# Altium PCB OSP_Carrier_V8.PcbDoc (part 3 of 3)
Units mm, origin at the board's own origin, x right, y up, seen from the top; angles counter-clockwise.
Board outline 64.1 x 51.1 mm, 4 copper layers (Component Side, Signal Layer 1, Signal Layer 2, Solder Side), stack 1.58 mm thick; 182 components, 144 nets, 1232 pads, 422 vias.
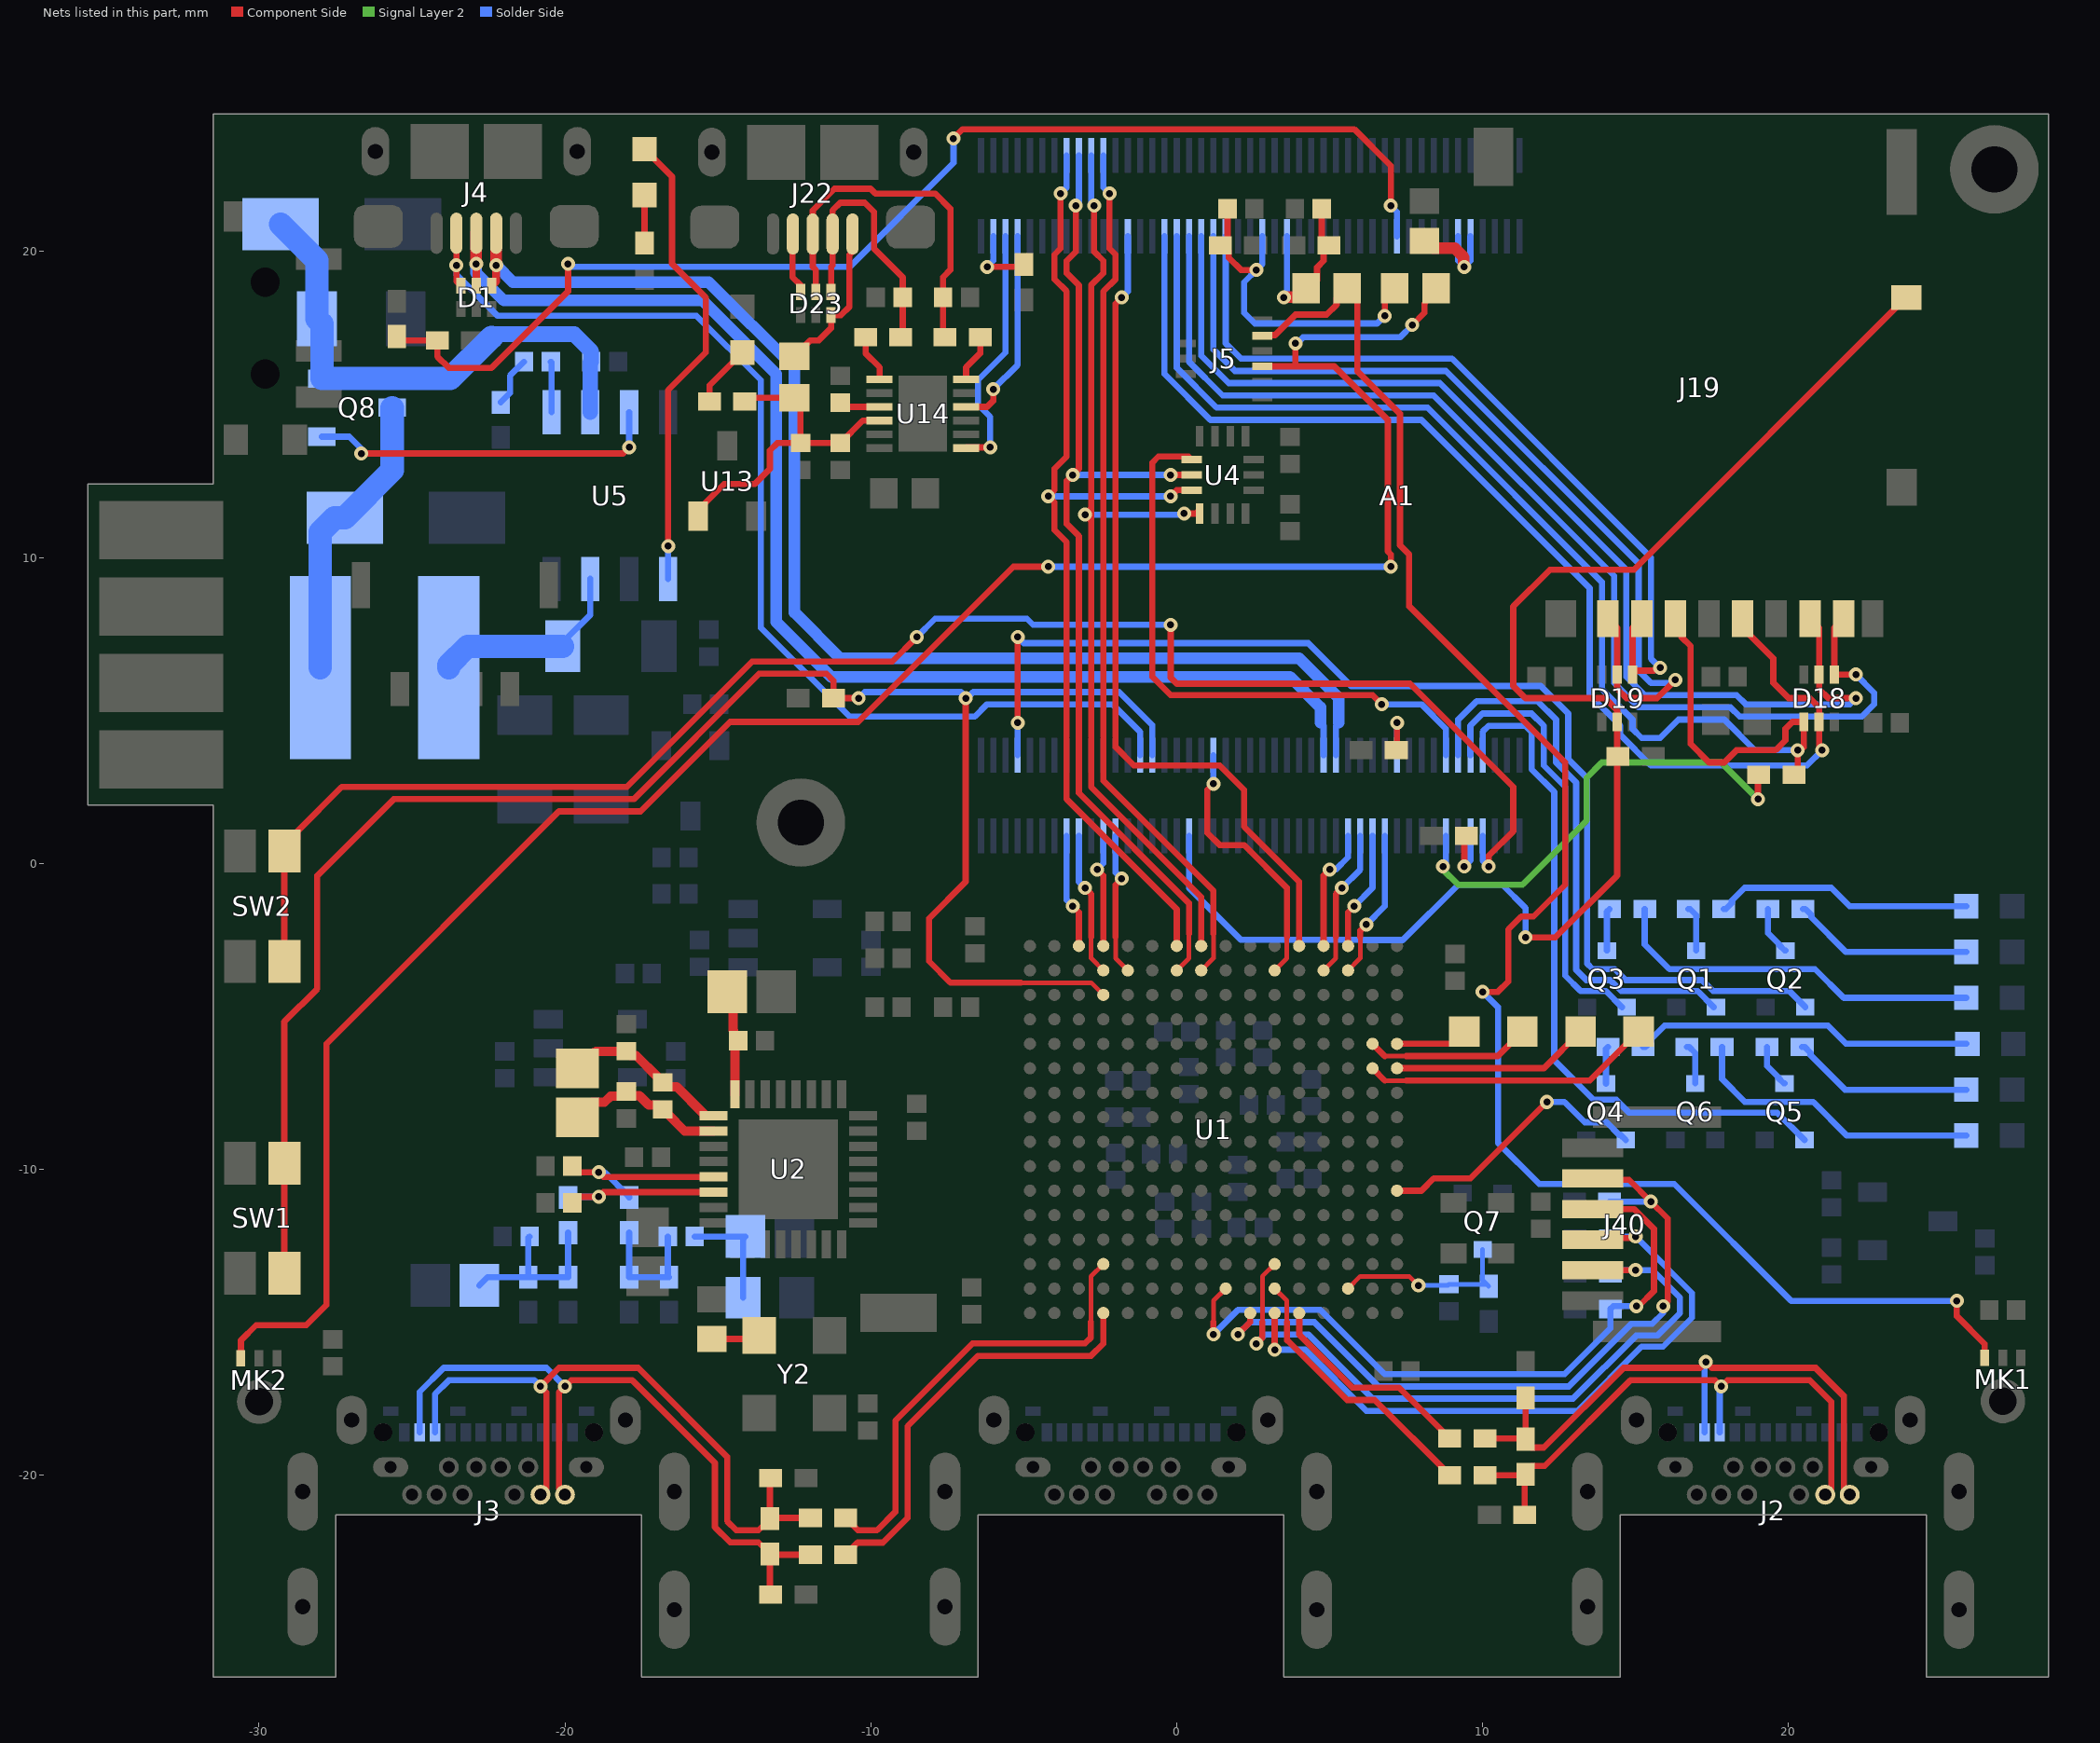
[diagram p5: the nets of this part, all layers, seen from the top]

## Via types
v1: diameter 0.457, hole 0.229, Component Side to Solder Side, tented both sides, 422 vias

## Nets (pads, with @x,y where several pads share a name; then routed paths per layer and width w, separated by ;. In a path a pad name is that pad's centre, name@x,y a point inside that pad or via, vN(x,y) a via of type N, cw(c..) or ccw(c..) an arc to the next point about the centre after c; other vN are vias at no path point) (continued)
L_LVDS_N: J2.A10 J2.B10 R12.1 R13.2 R14.2 | length 19.1
  Component Side w0.203: R13.2@10.075,-20 R14.2@11.375,-20 ; R12.1@11.375,-21.3 R14.2@11.375,-20 ; J2.B10@21.2,-20.64 21.4,-20.44 21.4,-17.6 20.7,-16.9 18,-16.9 v1(17.8,-17.1) 17.6,-16.9 14.829,-16.9 12.029,-19.7 11.675,-19.7 11.673,-19.702 11.598,-19.702 11.375,-19.925 R14.2@11.375,-20
  Solder Side w0.203: J2.A10@17.75,-18.6 17.75,-17.15 v1(17.8,-17.1)
L_LVDS_P: J2.A11 J2.B11 R14.1 R16.2 R17.2 | length 21.8
  Component Side w0.203: R16.2@10.075,-18.8 R14.1@11.375,-18.8 ; R17.2@11.375,-17.5 11.4,-17.525 R14.1@11.4,-18.825 R14.1@11.375,-18.8 ; 20.894,-16.494 21.806,-17.406 ; J2.B11@22,-20.64 21.806,-20.446 21.806,-17.406 ; R14.1@11.375,-18.8 11.375,-18.875 11.598,-19.098 11.673,-19.098 11.675,-19.1 12,-19.1 14.606,-16.494 17.106,-16.494 v1(17.3,-16.3) 17.494,-16.494 20.868,-16.494 21.781,-17.406 21.806,-17.406
  Solder Side w0.203: J2.A11@17.25,-18.6 17.25,-16.35 v1(17.3,-16.3)
L_PRE_N: R13.1 U1.B6 | length 9
  Component Side w0.152: U1.B6@3.2,-13.9 3.6,-14.3 3.6,-15
  Component Side w0.203: 3.6,-15 3.6,-15.6 3.625,-15.6 5.568,-17.542 6.467,-17.542 R13.1@8.925,-20
L_PRE_P: R16.1 U1.A5 | length 7.3
  Component Side w0.152: R16.1@8.7,-18.9 R16.1@8.925,-18.9
  Component Side w0.203: U1.A5@4,-14.7 4.006,-14.706 4.006,-15.406 5.736,-17.136 7.261,-17.136 R16.1@8.925,-18.8
MICL: A1.39 C48.2 C98.1 R41.1 | length 5.8
  Component Side w0.203: C98.1@4.325,18.8 4.586,19.061 4.586,19.486 4.8,19.7 R41.1@4.8,20.2 ; C48.2@4.74,21.4 4.74,20.398 R41.1@4.938,20.2 ; R41.1@4.862,20.138 4.923,20.2 R41.1@4.938,20.2 ; R41.1@4.975,20.2 R41.1@4.938,20.2
  Component Side w0.381: v1(3.5,18.5) 3.515,18.515 4.115,18.515 C98.1@4.2,18.6
  Solder Side w0.203: v1(3.5,18.5) 3.6,18.6 A1.39@3.6,20.5
MICL_PRE: C98.2 J5.1 MK1.1 | length 55.5
  Component Side w0.203: J5.1@2.8,17.25 2.823,17.273 3.213,17.273 3.88,17.94 4.9,17.94 5.227,18.267 5.227,18.452 C98.2@5.575,18.8 ; C98.2@5.9,18.8 5.9,16.1 7.3,14.7 7.3,10.4 7.6,10.1 7.6,8.4 12.7,3.3 12.7,-0.7 11.665,-1.735 11.265,-1.735 10.84,-2.16 10.84,-3.86 10.5,-4.2 v1(10,-4.2) ; v1(25.5,-14.3) 25.5,-14.8 26.412,-15.712 MK1.1@26.412,-16.165
  Solder Side w0.203: v1(10,-4.2) 10.501,-4.701 10.501,-9.132 11.85,-10.481 16.263,-10.481 20.084,-14.302 25.498,-14.302 v1(25.5,-14.3)
MICR: A1.43 C47.2 C99.1 R40.1 | length 11.5
  Component Side w0.203: R40.1@1.425,20.2 R40.1@1.462,20.2 ; C47.2@1.66,21.4 1.66,20.398 R40.1@1.462,20.2 ; v1(2.6,19.4) 2.1,19.4 1.698,19.802 1.698,20.002 1.5,20.2 R40.1@1.462,20.2 ; v1(6.8,17.9) 6.8,18.475 C99.1@7.125,18.8
  Solder Side w0.203: A1.43@2.8,20.5 2.8,19.6 v1(2.6,19.4) 2.2,19 2.2,18 2.55,17.65 6.55,17.65 v1(6.8,17.9)
MICR_PRE: C99.2 J5.5 MK2.1 | length 69.8
  Component Side w0.203: MK2.1@-30.595,-16.185 -30.595,-15.595 -30.1,-15.1 -28.46,-15.1 -27.8,-14.44 -27.8,-5.9 -20.2,1.7 -17.529,1.7 -14.604,4.625 -10.415,4.625 -5.34,9.7 v1(-4.2,9.7) ; J5.5@2.8,16.25 3.9,16.25 ; v1(3.88,17) 3.88,16.27 3.9,16.25 ; v1(7,9.7) 7,10.1 6.9,10.2 6.9,14.5 5.15,16.25 3.9,16.25 ; v1(7.7,17.6) 8.1,18 8.1,18.3 8.127,18.327 8.127,18.402 8.525,18.8 C99.2@8.6,18.8
  Solder Side w0.203: v1(-4.2,9.7) v1(7,9.7) ; v1(3.88,17) 3.926,17 4.126,17.2 7.3,17.2 v1(7.7,17.6)
MUTE_LED: Q4.1 U1.F1 | length 9.2
  Component Side w0.203: U1.F1@7.2,-10.7 8,-10.7 8.4,-10.3 9.6,-10.3 v1(12.1,-7.8)
  Solder Side w0.203: v1(12.1,-7.8) 12.673,-7.8 13.338,-8.465 14.054,-8.465 14.461,-8.873 14.508,-8.873 Q4.1@14.682,-9.046
NetA1_9: A1.9 A1.11 R6.1 | length 4
  Component Side w0.381: R6.1@8.2,20.4 8.2,20.3 8.384,20.115 9.085,20.115 9.385,19.815 9.385,19.515 v1(9.4,19.5)
  Solder Side w0.203: A1.11@9.2,20.5 9.2,19.7 v1(9.4,19.5) 9.6,19.7 A1.9@9.6,20.5
NetA1_21: A1.21 R30.1 R35.2 | length 40.4
  Component Side w0.203: R35.2@-25.5,17.225 -25.375,17.1 R30.1@-24.175,17.1 -24.175,16.575 -23.8,16.2 -22.4,16.2 -19.9,18.7 v1(-19.9,19.6) ; v1(-7.3,23.7) -7,24 5.8,24 7,22.8 v1(7,21.5)
  Solder Side w0.203: v1(-19.9,19.6) -19.8,19.5 -10.7,19.5 -7.3,22.9 v1(-7.3,23.7) ; v1(7,21.5) 7.2,21.3 A1.21@7.2,20.5
NetA1_49: A1.49 D19.4 J19.2 | length 27
  Component Side w0.203: J19.2@15.2,8 14.9,7.7 D19.4@14.9,6.175 15.025,6.3 15.6,6.3 15.7,6.4 v1(15.8,6.4)
  Solder Side w0.203: A1.49@1.6,20.5 1.6,17 2.1,16.5 9,16.5 15.5,10 15.5,6.7 v1(15.8,6.4)
NetA1_51: A1.51 D19.5 J19.1 | length 30.1
  Component Side w0.203: J19.1@14.1,8 14.4,7.7 D19.5@14.4,6.175 14.4,5.7 14.7,5.4 15.7,5.4 v1(16.3,6)
  Solder Side w0.203: A1.51@1.2,20.5 1.2,16.8 1.9,16.1 8.8,16.1 15.1,9.8 15.1,6.3 15.5,5.9 16.2,5.9 v1(16.3,6)
NetA1_53: A1.53 D18.2 J19.7 | length 35.9
  Component Side w0.203: J19.7@20.7,8 21,7.7 D18.2@21,6.175 21,5.7 21.3,5.4 v1(22.2,5.4)
  Solder Side w0.203: A1.53@0.8,20.5 0.8,16.6 1.7,15.7 8.6,15.7 14.7,9.6 14.7,6.1 15.3,5.5 18.3,5.5 18.6,5.2 22,5.2 v1(22.2,5.4)
NetA1_55: A1.55 D18.1 J19.8 | length 37.4
  Component Side w0.203: J19.8@21.8,8 21.5,7.7 D18.1@21.5,6.175 v1(22.2,6.175)
  Solder Side w0.203: A1.55@0.4,20.5 0.4,16.4 1.5,15.3 8.4,15.3 14.3,9.4 14.3,5.9 15.1,5.1 18.1,5.1 18.4,4.8 22.4,4.8 22.8,5.2 22.8,5.575 v1(22.2,6.175)
NetA1_57: A1.57 D18.4 J19.3 R32.1 | length 43.4
  Component Side w0.203: J19.3@16.3,8 16.5,7.8 16.5,7.4 16.8,7.1 16.8,3.9 17.4,3.3 17.9,3.3 18.3,3.7 19.575,3.7 19.9,4.025 19.9,4.4 20.125,4.625 D18.4@20.5,4.625 20.5,3.8 20.4,3.7 v1(20.3,3.7) 20.3,3.025 R32.1@20.175,2.9
  Solder Side w0.203: A1.57@0,20.5 0,16.2 1.3,14.9 8.2,14.9 13.9,9.2 13.9,5.7 14.9,4.7 14.9,4.4 15.2,4.1 15.8,4.1 16.4,4.7 17.9,4.7 18.9,3.7 v1(20.3,3.7)
NetA1_59: A1.59 D18.5 J19.5 | length 39.5
  Component Side w0.203: J19.5@18.5,8 18.7,7.8 18.7,7.5 19.5,6.7 19.5,5.9 20,5.4 20.7,5.4 21,5.1 D18.5@21,4.625 21,3.8 v1(21.1,3.7)
  Solder Side w0.203: A1.59@-0.4,20.5 -0.4,16 1.1,14.5 8,14.5 13.5,9 13.5,5.5 14.5,4.5 14.5,4.2 15.5,3.2 20.6,3.2 v1(21.1,3.7)
NetA1_83: A1.83 U14.10 | length 6.7
  Component Side w0.203: U14.10@-6.885,14.925 -6.2,14.925 -6,15.125 v1(-6,15.5)
  Solder Side w0.203: v1(-6,15.5) -5.2,16.3 A1.83@-5.2,20.5
NetA1_85: A1.85 U14.7 | length 8.3
  Component Side w0.203: U14.7@-6.9,13.56 U14.7@-6.885,13.575 -6.86,13.6 v1(-6.1,13.6)
  Solder Side w0.203: v1(-6.1,13.6) -6.1,14.6 -6.5,15 -6.5,15.8 -5.6,16.7 A1.85@-5.6,20.5
NetA1_87: A1.87 R28.1 | length 2.3
  Component Side w0.203: v1(-6.2,19.5) -5.075,19.5 R28.1@-5,19.575
  Solder Side w0.203: v1(-6.2,19.5) -6,19.7 A1.87@-6,20.5
NetA1_113: A1.113 R32.2 | length 15.4
  Component Side w0.203: v1(19,2.1) 19,2.875 R32.2@19.025,2.9
  Signal Layer 2 w0.203: v1(8.7,-0.1) 8.7,-0.2 9.2,-0.7 11.3,-0.7 13.4,1.4 13.4,2.8 13.9,3.3 17.8,3.3 v1(19,2.1)
  Solder Side w0.203: v1(8.7,-0.1) 8.8,0 A1.113@8.8,0.9
NetA1_122: A1.122 R31.1 | length 2
  Component Side w0.203: R31.1@7.175,3.7 7.2,3.725 v1(7.2,4.6)
  Solder Side w0.203: A1.122@7.2,3.54 v1(7.2,4.6)
NetA1_155: A1.155 D19.2 J19.10 R47.1 | length 48
  Component Side w0.203: v1(11.4,-2.419) 12.381,-2.419 14.4,-0.4 D19.2@14.4,4.625 14.4,5 14,5.4 11.4,5.4 11,5.8 11,8.4 12.2,9.6 14.95,9.6 J19.10@23.85,18.5
  Solder Side w0.203: A1.155@0.4,0.9 0.4,-0.8 2.1,-2.5 5.982,-2.5 5.99,-2.508 7.392,-2.508 9.2,-0.7 10.642,-0.7 11.4,-1.458 v1(11.4,-2.419)
NetA1_164: A1.164 D1.3 J4.4 | length 36.5
  Component Side w0.203: J4.4@-23.55,20.6 v1(-23.55,19.55) -23.55,19.03 D1.3@-23.4,18.88
  Solder Side w0.203: v1(-23.55,19.55) -23.55,19.25 -22.2,17.9 -15.7,17.9 -13.6,15.8 -13.6,7.7 -10.7,4.8 -6.6,4.8 -6.2,5.2 -2.1,5.2 -1.2,4.3 A1.164@-1.2,3.54
NetC14_1: C14.1 Q7.2 R3.1 U1.B3 | length 6.1
  Component Side w0.152: U1.B3@5.6,-13.9 6,-13.5 7.6,-13.5 v1(7.9,-13.8)
  Solder Side w0.152: v1(7.9,-13.8) 8.86,-13.8 C14.1@8.9,-13.76 R3.1@10.135,-13.76 ; Q7.2@10,-12.625 10,-13.625 R3.1@10.135,-13.76 ; R3.1@10.2,-13.825 R3.1@10.135,-13.76
NetC29_1: C29.1 C107.2 R78.2 | length 3.7
  Solder Side w0.203: C29.1@-15.76,-12.2 C107.2@-14.1,-12.2 -14.175,-12.275 R78.2@-14.175,-14.2
NetC29_2: C29.2 R33.1 R36.1 R37.2 | length 4.1
  Solder Side w0.203: R36.1@-17.9,-12.075 R33.1@-17.9,-13.525 R37.2@-16.6,-13.525 -16.64,-13.485 C29.2@-16.64,-12.2
NetC30_2: C30.2 R36.2 U2.29 | length 6.1
  Component Side w0.203: C30.2@-19.76,-9.9 -19.56,-10.1 v1(-18.9,-10.1) -18.75,-10.25 U2.29@-15.151,-10.25
  Solder Side w0.203: v1(-18.9,-10.1) -18.7,-10.1 -17.9,-10.9 R36.2@-17.9,-10.925
NetC31_2: C31.2 C32.1 U2.24 | length 4
  Component Side w0.203: C32.1@-14.45,-5.91 C32.1@-14.34,-5.8
  Component Side w0.305: C31.2@-15,-4.5 C31.2@-14.7,-4.2 -14.5,-4.4 -14.5,-5.454 -14.488,-5.466 -14.488,-5.652 C32.1@-14.34,-5.8 ; U2.24@-14.45,-7.549 C32.1@-14.45,-5.91
NetC33_1: C33.1 C34.2 C35.1 U2.25 | length 5.6
  Component Side w0.305: C34.2@-19.6,-6.7 -19.55,-6.7 -18.99,-6.14 C33.1@-18,-6.14 -17.852,-6.288 -17.672,-6.288 -16.968,-6.992 -16.968,-7.012 -16.82,-7.16 C35.1@-16.8,-7.16 -16.652,-7.308 -16.341,-7.308 -15.456,-8.193 -15.456,-8.25 U2.25@-15.151,-8.25
NetC34_1: C34.1 C35.2 C36.1 U2.26 | length 5.3
  Component Side w0.305: C34.1@-19.6,-8.3 -19.107,-7.807 -18.707,-7.807 -18.508,-7.608 -18.148,-7.608 C36.1@-18,-7.46 -17.86,-7.6 -17.56,-7.6 -17.268,-7.892 -16.948,-7.892 C35.2@-16.8,-8.04 -16.78,-8.04 -16.632,-8.188 -16.632,-8.208 -16.09,-8.75 U2.26@-15.151,-8.75
NetC37_2: C37.2 C38.1 R38.1 R39.1 R42.2 | length 5.8
  Solder Side w0.203: C37.2@-22.8,-13.8 -22.525,-13.525 R42.2@-21.2,-13.525 ; C38.1@-21.16,-12.2 -21.2,-12.24 R42.2@-21.2,-13.525 ; R39.1@-19.9,-12.075 R38.1@-19.9,-13.525 R42.2@-21.2,-13.525
NetC40_2: C40.2 R39.2 U2.30 | length 5.8
  Component Side w0.203: C40.2@-19.76,-11.1 -19.56,-10.9 v1(-18.9,-10.9) -18.75,-10.75 U2.30@-15.151,-10.75
  Solder Side w0.203: R39.2@-19.9,-10.925 -19.875,-10.9 v1(-18.9,-10.9)
NetC46_1: C46.1 C53.1 D2.2 Q8.2 U5.2 | length 17.3
  Solder Side w0.508: -22.4,17.2 -22.3,17.3 -19.7,17.3 -19.14,16.74 C53.1@-19.14,16.4 -19.17,16.37 U5.2@-19.17,14.75
  Solder Side w0.762: D2.2@-29.3,20.9 -28.11,19.71 C46.1@-28.11,17.8 -27.95,17.64 Q8.2@-27.95,15.85 -23.75,15.85 -22.4,17.2
NetC49_1: C49.1 U5.1 | length 1.7
  Solder Side w0.203: C49.1@-20.46,16.4 -20.44,16.38 U5.1@-20.44,14.75
NetC49_2: C49.2 R9.1 | length 1.6
  Solder Side w0.203: R9.1@-22.1,15.075 -21.8,15.375 -21.8,15.94 C49.2@-21.34,16.4
NetC71_2: C71.2 C72.2 FB3.1 R49.1 U13.1 U14.4 | length 10.9
  Component Side w0.203: U13.1@-15.65,11.35 -15.65,11.55 -14.8,12.4 -13.8,12.4 -13.3,12.9 -13.3,13.5 -13.06,13.74 C71.2@-12.3,13.74 ; R49.1@-14.125,15.1 -14,15.225 FB3.1@-12.5,15.225 -12.3,15.025 C71.2@-12.3,13.74 ; U14.4@-9.715,14.475 -10.265,14.475 C72.2@-11,13.74 C71.2@-12.3,13.74
NetC73_2: C73.2 U14.3 | length 1.3
  Component Side w0.203: C73.2@-11,15.06 -10.865,14.925 U14.3@-9.715,14.925
NetD3_2: D3.2 L1.2 Q8.3 | length 9.7
  Solder Side w0.762: L1.2@-28,6.4 -28,10.831 -27.531,11.3 D3.2@-27.2,11.3 -25.65,12.85 Q8.3@-25.65,14.9
NetD23_3: D23.3 J22.4 | length 2.1
  Component Side w0.203: J22.4@-12.55,20.575 -12.566,20.559 -12.566,19.166 -12.3,18.9 D23.3@-12.3,18.68 D23.3@-12.3,18.58
NetD23_6: D23.6 FB3.2 J22.1 | length 5.2
  Component Side w0.203: FB3.2@-12.5,16.575 -11.975,17.1 -11.7,17.1 -11.3,17.5 D23.6@-11.3,17.92 -10.98,17.92 -10.7,18.2 -10.7,19.9 -10.6,20 J22.1@-10.6,20.575 J22.1@-10.534,20.509
NetJ40_2: J40.2 R4.1 U1.C6 | length 23.4
  Component Side w0.152: 2.8,-15 2.8,-13.5 U1.C6@3.2,-13.1
  Component Side w0.203: v1(2.6,-15.7) 2.8,-15.5 2.8,-15 ; J40.2@13.6,-13.3 13.602,-13.298 v1(15,-13.298)
  Solder Side w0.203: v1(2.6,-15.7) 2.9,-15.4 4.3,-15.4 6.4,-17.5 12.955,-17.5 15.018,-15.438 15.714,-15.438 16.45,-14.702 16.45,-14.2 15.547,-13.298 v1(15,-13.298) 14.277,-13.298 R4.1@14.175,-13.4
NetJ40_3: J40.3 R7.1 U1.A6 | length 22.6
  Component Side w0.203: v1(3.2,-15.9) U1.A6@3.2,-14.7 ; J40.3@13.6,-12.3 13.651,-12.249 14.951,-12.249 v1(15,-12.2)
  Solder Side w0.203: v1(3.2,-15.9) 4.2,-15.9 6.2,-17.9 13.094,-17.9 15.194,-15.8 15.9,-15.8 16.845,-14.855 16.845,-14.045 v1(15,-12.2) 14.235,-12.2 R7.1@14.175,-12.26
NetJ40_4: J40.4 R10.1 U1.B8 | length 23.1
  Component Side w0.152: 1.2,-15 1.2,-14.3 U1.B8@1.6,-13.9
  Component Side w0.203: v1(1.2,-15.4) 1.2,-15 ; J40.4@13.6,-11.3 14.951,-11.3 15.6,-11.949 15.6,-13.982 15.107,-14.475 v1(15.025,-14.475)
  Solder Side w0.203: v1(1.2,-15.4) 2,-14.6 4.7,-14.6 6.8,-16.7 12.678,-16.7 14.175,-15.203 R10.1@14.175,-14.575 14.275,-14.475 v1(15.025,-14.475)
NetJ40_5: J40.5 R11.2 U1.A7 | length 24.5
  Component Side w0.203: v1(2,-15.4) 2.4,-15 U1.A7@2.4,-14.7 ; J40.5@13.6,-10.3 13.646,-10.346 14.786,-10.346 v1(15.5,-11.06) 16.05,-11.61 16.05,-14.325 v1(15.9,-14.475)
  Solder Side w0.203: v1(2,-15.4) 2.4,-15 4.5,-15 6.6,-17.1 12.817,-17.1 14.867,-15.05 15.55,-15.05 15.9,-14.7 v1(15.9,-14.475) ; R11.2@14.274,-11.184 R11.2@14.15,-11.06 v1(15.5,-11.06)
NetL1_1: L1.1 R8.2 U5.7 | length 6.6
  Solder Side w0.203: R8.2@-20.075,7.1 -20.075,7.225 -19.17,8.13 U5.7@-19.17,9.3
  Solder Side w0.762: L1.1@-23.8,6.4 -23.8,6.481 -23.181,7.1 R8.2@-20.075,7.1
NetLD1_1: LD1.1 R1.1 | length 1.6
  Component Side w0.203: R1.1@-17.4,20.25 R1.1@-17.4,20.275 LD1.1@-17.4,21.85
NetLD1_2: LD1.2 U5.5 | length 15.4
  Component Side w0.203: LD1.2@-17.4,23.35 -16.5,22.45 -16.5,19.6 -15.4,18.5 -15.4,16.7 -16.63,15.47 v1(-16.63,10.37)
  Solder Side w0.203: U5.5@-16.63,9.3 v1(-16.63,10.37)
NetLD5_2: LD5.2 R22.2 | length 8.5
  Solder Side w0.203: R22.2@17.875,-1.492 17.95,-1.492 18.148,-1.294 18.148,-1.219 18.567,-0.8 21.4,-0.8 22,-1.4 LD5.2@25.81,-1.4
NetLD6_2: LD6.2 R23.2 | length 6
  Solder Side w0.203: R23.2@20.475,-1.492 20.55,-1.492 20.748,-1.69 20.748,-1.765 21.88,-2.897 LD6.2@25.81,-2.897
NetLD7_2: LD7.2 R24.2 | length 12.4
  Solder Side w0.203: R24.2@15.299,-1.492 15.299,-2.649 16.109,-3.459 20.868,-3.459 21.806,-4.397 LD7.2@25.81,-4.397
NetLD8_2: LD8.2 R25.2 | length 11.1
  Solder Side w0.203: R25.2@15.25,-6 15.325,-6 15.523,-5.802 15.523,-5.727 15.95,-5.3 21.283,-5.3 21.88,-5.897 LD8.2@25.81,-5.897
NetLD9_2: LD9.2 R26.2 | length 6
  Solder Side w0.203: R26.2@20.446,-6 20.521,-6 20.719,-6.198 20.719,-6.273 21.846,-7.4 LD9.2@25.81,-7.4
NetLD10_2: LD10.2 R27.2 | length 9.8
  Solder Side w0.203: R27.2@17.825,-6 17.825,-7.05 18.575,-7.8 20.809,-7.8 21.909,-8.9 LD10.2@25.81,-8.9
NetLD11_1: LD11.1 R49.2 | length 2
  Component Side w0.203: R49.2@-15.275,15.1 -15.275,15.625 LD11.1@-14.2,16.7
NetQ1_2: Q1.2 R22.1 | length 1.5
  Solder Side w0.203: R22.1@16.725,-1.492 16.782,-1.492 16.98,-1.69 Q1.2@16.98,-2.85
NetQ2_2: Q2.2 R23.1 | length 1.6
  Solder Side w0.203: R23.1@19.325,-1.492 19.325,-2.275 19.702,-2.651 19.702,-2.676 19.875,-2.85 Q2.2@19.9,-2.85
NetQ3_2: Q3.2 R24.1 | length 1.4
  Solder Side w0.203: Q3.2@14.061,-2.85 14.061,-1.58 R24.1@14.149,-1.492
NetQ4_2: Q4.2 R25.1 | length 1.2
  Solder Side w0.203: Q4.2@14.032,-7.196 14.032,-6.068 R25.1@14.1,-6
NetQ5_2: Q5.2 R26.1 | length 1.4
  Solder Side w0.203: R26.1@19.296,-6 19.296,-6.617 19.672,-6.994 19.672,-7.019 19.846,-7.192 Q5.2@19.871,-7.192
NetQ6_2: Q6.2 R27.1 | length 1.4
  Solder Side w0.203: R27.1@16.675,-6 16.75,-6 16.948,-6.198 16.948,-6.315 16.951,-6.317 Q6.2@16.951,-7.192
NetQ8_1: Q8.1 U5.3 | length 11.6
  Component Side w0.203: v1(-26.66,13.4) -18.1,13.4 v1(-17.9,13.6)
  Solder Side w0.203: Q8.1@-27.95,13.95 -27.05,13.95 -26.66,13.56 v1(-26.66,13.4) ; v1(-17.9,13.6) U5.3@-17.9,14.75
NetR15_2: R15.2 Y2.3 | length 1.6
  Component Side w0.203: R15.2@-15.2,-15.55 -13.77,-15.55 Y2.3@-13.65,-15.43
R_LVDS_N: J3.A10 J3.B10 R18.1 R19.2 R20.2 | length 22.7
  Component Side w0.203: J3.B10@-20.8,-20.64 -20.606,-20.446 -20.606,-17.294 v1(-20.8,-17.1) -20.194,-16.494 -17.606,-16.494 -14.7,-19.4 -14.7,-21.5 -14.4,-21.8 -13.675,-21.8 R20.2@-13.3,-21.425 ; R18.1@-13.275,-20.1 -13.3,-20.125 R20.2@-13.3,-21.425 ; R19.2@-11.975,-21.4 -13.275,-21.4 R20.2@-13.3,-21.425
  Solder Side w0.203: J3.A10@-24.25,-18.6 -24.25,-17.35 -23.8,-16.9 -21,-16.9 v1(-20.8,-17.1)
R_LVDS_P: J3.A11 J3.B11 R20.1 R21.2 R29.2 | length 23.4
  Component Side w0.203: J3.B11@-20,-20.64 -20.2,-20.44 -20.2,-17.3 v1(-20,-17.1) -19.8,-16.9 -17.8,-16.9 -15.1,-19.6 -15.1,-21.7 -14.6,-22.2 -13.675,-22.2 R20.1@-13.3,-22.575 ; R29.2@-13.275,-23.9 -13.3,-23.875 R20.1@-13.3,-22.575 ; R21.2@-11.975,-22.6 -13.275,-22.6 R20.1@-13.3,-22.575
  Solder Side w0.203: J3.A11@-24.75,-18.6 -24.75,-17.275 -23.968,-16.494 -20.606,-16.494 v1(-20,-17.1)
R_PRE_N: R19.1 U1.C13 | length 15.1
  Component Side w0.152: -2.806,-15 -2.806,-13.506 U1.C13@-2.4,-13.1
  Component Side w0.203: R19.1@-10.825,-21.4 -10.425,-21.8 -9.8,-21.8 -9.2,-21.2 -9.2,-18.22 -6.674,-15.694 -3,-15.694 -2.806,-15.5 -2.806,-15
R_PRE_P: R21.1 U1.A13 | length 14
  Component Side w0.203: R21.1@-10.825,-22.6 -10.431,-22.206 -9.606,-22.206 -8.8,-21.4 -8.8,-18.4 -6.5,-16.1 -2.8,-16.1 -2.4,-15.7 U1.A13@-2.4,-14.7
SPI1_CLK: A1.125 U1.T3 | length 3.9
  Component Side w0.203: U1.T3@5.6,-2.7 5.6,-1.6 v1(5.8,-1.4)
  Solder Side w0.203: v1(5.8,-1.4) 6.4,-0.8 A1.125@6.4,0.9
SPI1_CS0: A1.129 U1.T4 | length 4
  Component Side w0.203: U1.T4@4.8,-2.7 4.8,-0.4 v1(5,-0.2)
  Solder Side w0.203: v1(5,-0.2) 5.2,-0.2 5.6,0.2 A1.129@5.6,0.9
SPI1_CS2: A1.65 U1.T5 | length 27.5
  Component Side w0.203: v1(-1.8,18.5) -2,18.3 -2,3.8 -1.4,3.2 1.4,3.2 2.2,2.4 2.2,1.2 4,-0.6 U1.T5@4,-2.7
  Solder Side w0.203: v1(-1.8,18.5) -1.6,18.7 A1.65@-1.6,20.5
SPI1_MISO: A1.127 U1.R4 | length 4.9
  Component Side w0.152: U1.R4@4.8,-3.5 5.2,-3.1 5.2,-2.4
  Component Side w0.203: 5.2,-2.4 5.2,-1 v1(5.4,-0.8)
  Solder Side w0.203: v1(5.4,-0.8) 6,-0.2 A1.127@6,0.9
SPI1_MOSI: A1.123 U1.R3 | length 4.9
  Component Side w0.152: U1.R3@5.6,-3.5 6,-3.1 6,-2.4
  Component Side w0.203: 6,-2.4 6,-2.2 v1(6.2,-2)
  Solder Side w0.203: v1(6.2,-2) 6.8,-1.4 A1.123@6.8,0.9
SPI3_CLK: A1.74 U1.R10 U4.13 | length 32.8
  Component Side w0.152: U1.R10@0,-3.5 0.4,-3.1 0.4,-2.3
  Component Side w0.203: v1(-3.3,21.5) -3.3,20 -3.6,19.7 -3.6,19.3 -3.2,18.9 -3.2,12.9 v1(-3.4,12.7) -3.6,12.5 -3.6,11.1 -3.2,10.7 -3.2,2.3 0.4,-1.3 0.4,-2.3 ; v1(-0.2,12.7) U4.13@0.487,12.7
  Solder Side w0.203: v1(-3.4,12.7) v1(-0.2,12.7) ; v1(-3.3,21.5) -3.2,21.6 A1.74@-3.2,23.14
SPI3_CS0: A1.70 U1.R9 | length 28.6
  Component Side w0.152: U1.R9@0.8,-3.5 1.2,-3.1 1.2,-2.3
  Component Side w0.203: v1(-2.2,21.9) -2.2,20.1 -2,19.9 -2,19.1 -2.4,18.7 -2.4,2.7 1.2,-0.9 1.2,-2.3
  Solder Side w0.203: A1.70@-2.4,23.14 -2.4,22.1 v1(-2.2,21.9)
SPI3_CS1: A1.114 U4.12 | length 19.7
  Component Side w0.203: -0.8,13.06 -0.8,6.1 -0.2,5.5 6.4,5.5 v1(6.7,5.2) ; -0.8,13.1 -0.6,13.3 0.387,13.3 U4.12@0.487,13.2 U4.12@0.3,13.2
  Solder Side w0.203: v1(6.7,5.2) 8,5.2 8.8,4.4 A1.114@8.8,3.54
SPI3_CS3: A1.152 U1.R6 | length 8.8
  Component Side w0.152: U1.R6@3.2,-3.5 3.6,-3.1 3.6,-2.4
  Component Side w0.203: v1(1.2,2.6) 1,2.4 1,1 1.4,0.6 2.2,0.6 3.6,-0.8 3.6,-2.4
  Solder Side w0.203: v1(1.2,2.6) A1.152@1.2,3.54
SPI3_MISO: A1.72 U1.T9 U4.1 | length 32.1
  Component Side w0.203: v1(-2.7,21.5) -2.7,20 -2.4,19.7 -2.4,19.3 -2.8,18.9 -2.8,11.6 ; v1(0.238,11.438) U4.1@0.75,11.438 U4.1@0.688,11.5 ; U1.T9@0.8,-2.7 0.8,-1.1 -2.8,2.5 -2.8,11.2 ; -2.8,11.2 -2.8,11.6 ; -2.8,11.2 v1(-3,11.4) -2.8,11.6
  Solder Side w0.203: v1(-3,11.4) 0.2,11.4 v1(0.238,11.438) ; A1.72@-2.8,23.14 -2.8,21.6 v1(-2.7,21.5)
SPI3_MOSI: A1.76 U1.T10 U4.14 | length 32.9
  Component Side w0.203: v1(-3.8,21.9) -3.8,20.1 -4,19.9 -4,19.1 -3.6,18.7 -3.6,13.3 -4,12.9 -4,12.2 v1(-4.2,12) -4,11.8 -4,10.9 -3.6,10.5 -3.6,2.1 0,-1.5 U1.T10@0,-2.7 ; v1(-0.2,12) 0,12.2 U4.14@0.487,12.2
  Solder Side w0.203: v1(-4.2,12) v1(-0.2,12) ; v1(-3.8,21.9) -3.6,22.1 A1.76@-3.6,23.14
SPI4_CLK: A1.167 U1.R12 | length 4.7
  Component Side w0.152: -2,-2.4 -2,-3.1 U1.R12@-1.6,-3.5
  Component Side w0.203: -2,-2.4 -2,-0.7 v1(-1.8,-0.5)
  Solder Side w0.203: A1.167@-2,0.9 -2,-0.3 v1(-1.8,-0.5)
SPI4_CS: A1.169 U1.T13 | length 3.8
  Component Side w0.203: v1(-2.6,-0.2) -2.4,-0.4 U1.T13@-2.4,-2.7
  Solder Side w0.203: v1(-2.6,-0.2) -2.4,0 A1.169@-2.4,0.9
SPI4_MISO: A1.175 U1.T14 | length 3.8
  Component Side w0.203: v1(-3.4,-1.4) -3.2,-1.6 U1.T14@-3.2,-2.7
  Solder Side w0.203: A1.175@-3.6,0.9 -3.6,-1.2 v1(-3.4,-1.4)
SPI4_MOSI: A1.173 U1.R13 | length 4.7
  Component Side w0.152: -2.8,-2.4 -2.8,-3.1 U1.R13@-2.4,-3.5
  Component Side w0.203: v1(-3,-0.8) -2.8,-1 -2.8,-2.4
  Solder Side w0.203: A1.173@-3.2,0.9 -3.2,-0.6 v1(-3,-0.8)
SW_PWR: A1.109 R34.2 | length 2.1
  Component Side w0.203: v1(9.4,-0.1) 9.4,0.825 R34.2@9.475,0.9
  Solder Side w0.203: v1(9.4,-0.1) 9.6,0.1 A1.109@9.6,0.9
SW_VOL+: A1.162 R44.1 SW1.1 U1.P13 | length 61.1
  Component Side w0.152: -5.1,-3.9 -2.8,-3.9 U1.P13@-2.4,-4.3
  Component Side w0.203: SW1.1@-29.175,-13.4 SW1.1@-29.175,-9.8 -29.175,-5.175 -28.1,-4.1 -28.1,-0.4 -25.6,2.1 -17.75,2.1 -13.65,6.2 -11.45,6.2 -11.225,5.975 R44.1@-11.225,5.4 v1(-10.4,5.4) ; v1(-6.9,5.4) -6.9,-0.6 -8.1,-1.8 -8.1,-3.2 -7.4,-3.9 -5.1,-3.9
  Solder Side w0.203: v1(-10.4,5.4) -10.2,5.6 -7.054,5.6 -6.854,5.4 -6.654,5.6 -1.88,5.6 -0.8,4.52 A1.162@-0.8,3.54
SW_VOL-: A1.107 SW2.1 | length 54.4
  Component Side w0.203: SW2.1@-29.175,-3.2 SW2.1@-29.175,0.4 -28.752,0.823 -28.752,1.048 -27.3,2.5 -17.98,2.5 -13.88,6.6 -9.3,6.6 v1(-8.5,7.4) ; v1(-0.2,7.8) -0.2,6.075 0,5.875 7.625,5.875 11,2.5 11,1.05 10.2,0.25 v1(10.2,-0.1)
  Solder Side w0.203: v1(-8.5,7.4) -7.9,8 -4.9,8 -4.7,7.8 v1(-0.2,7.8) ; A1.107@10,0.9 10,0.1 v1(10.2,-0.1)
TP_L1: TP1.1 U1.L1 | length 6.5
  Component Side w0.203: U1.L1@7.2,-6.7 7.204,-6.696 12.004,-6.696 TP1.1@13.2,-5.5
TP_L2: TP2.1 U1.L2 | length 9.5
  Component Side w0.152: 6.8,-7.1 7.5,-7.1
  Component Side w0.203: U1.L2@6.4,-6.7 6.8,-7.1 ; 7.5,-7.1 13.5,-7.1 TP2.1@15.1,-5.5
TP_M1: TP3.1 U1.M1 | length 2.4
  Component Side w0.203: U1.M1@7.2,-5.9 9,-5.9 TP3.1@9.4,-5.5
TP_M2: TP4.1 U1.M2 | length 5.4
  Component Side w0.152: 6.8,-6.3 7.5,-6.3
  Component Side w0.203: U1.M2@6.4,-5.9 6.8,-6.3 ; 7.5,-6.3 10.5,-6.3 TP4.1@11.3,-5.5
USB_D_N: A1.132 D1.1 J4.2 | length 41.8
  Component Side w0.254: D1.1@-22.4,18.88 -22.25,19.03 v1(-22.25,19.55)
  Component Side w0.381: v1(-22.25,19.55) J4.2@-22.25,20.6
  Solder Side w0.203: A1.132@5.2,3.54 5.2,4.5 5.3,4.6
  Solder Side w0.381: v1(-22.25,19.55) -21.7,19 -15.3,19 -12.5,16.2 -12.5,8.2 -11,6.7 4,6.7 5.3,5.4 5.3,4.6
USB_D_P: A1.134 D1.2 J4.3 | length 41.8
  Component Side w0.254: D1.2@-22.9,18.88 v1(-22.9,19.6)
  Component Side w0.381: v1(-22.9,19.6) J4.3@-22.9,20.6
  Solder Side w0.203: 4.7,4.6 4.8,4.5 A1.134@4.8,3.54
  Solder Side w0.381: v1(-22.9,19.6) -22.9,19.3 -22,18.4 -15.5,18.4 -13.1,16 -13.1,7.9 -11.3,6.1 3.7,6.1 4.7,5.1 4.7,4.6
USB_U_N: C74.2 D23.1 J22.2 R54.2 | length 8.9
  Component Side w0.203: D23.1@-11.3,18.58 D23.1@-11.3,18.68 -11.3,19.5 -11.25,19.55 J22.2@-11.25,20.575 -11.25,21.35 -11,21.6 -10.2,21.6 -9.9,21.3 -9.9,20.1 -9.766,19.966 ; -9.765,19.966 -9.434,19.635 -8.96,19.16 C74.2@-8.96,18.5 -8.96,17.265 R54.2@-9.025,17.2
USB_U_P: C75.2 D23.2 J22.3 R55.2 | length 12.2
  Component Side w0.203: D23.2@-11.8,18.58 D23.2@-11.8,18.68 -11.8,19.4 -11.9,19.5 J22.3@-11.9,20.575 -11.9,21.347 -11.189,22.057 -10.011,22.057 -9.853,21.9 -7.9,21.9 -7.4,21.4 -7.4,19.4 -7.64,19.16 C75.2@-7.64,18.5 -7.64,17.265 R55.2@-7.575,17.2
USB_UX_N: R54.1 U14.1 | length 1.6
  Component Side w0.203: R54.1@-10.175,17.2 -10.175,16.675 -9.715,16.215 U14.1@-9.715,15.825
USB_UX_P: R55.1 U14.12 | length 1.6
  Component Side w0.203: U14.12@-6.885,15.825 -6.885,16.215 -6.425,16.675 R55.1@-6.425,17.2
USR_LED_1_CTRL: A1.112 Q1.1 | length 18.3
  Solder Side w0.203: A1.112@9.2,3.54 9.2,4.7 9.8,5.3 11.8,5.3 12.4,4.7 12.4,3.3 13.056,2.644 13.056,-3.483 13.388,-3.815 14.172,-3.815 14.527,-4.171 17.024,-4.171 Q1.1@17.553,-4.7
USR_LED_2_CTRL: A1.184 Q2.1 | length 39.1
  Component Side w0.203: v1(-5.2,4.6) v1(-5.2,7.4)
  Solder Side w0.203: A1.184@-5.2,3.54 v1(-5.2,4.6) ; v1(-5.2,7.4) -5,7.2 4.3,7.2 5.7,5.8 11.9,5.8 12.8,4.9 12.8,3.408 13.411,2.797 13.411,-3.271 13.6,-3.459 14.319,-3.459 14.675,-3.815 17.172,-3.815 17.527,-4.171 20.021,-4.171 Q2.1@20.55,-4.7
USR_LED_3_CTRL: A1.110 Q3.1 | length 14.4
  Solder Side w0.203: A1.110@9.6,3.54 9.6,4.5 10,4.9 11.6,4.9 12,4.5 12,3.2 12.7,2.5 12.7,-3.672 13.199,-4.171 14.024,-4.171 Q3.1@14.553,-4.7
WAN_LED_CTRL: A1.108 Q5.1 | length 22.8
  Solder Side w0.203: A1.108@10,3.54 10,4.3 10.2,4.5 11.4,4.5 11.6,4.3 11.6,3.078 12.343,2.335 12.343,-6.442 13.626,-7.725 14.366,-7.725 14.794,-8.153 19.631,-8.153 Q5.1@20.521,-9.042
pads on no net: A1.0 A1.12 A1.13 A1.14 A1.15 A1.16 A1.17 A1.18 A1.19 A1.20 A1.22 A1.23 A1.24 A1.25 A1.26 A1.28 A1.29 A1.30 A1.33 A1.34 A1.35 A1.36 A1.38 A1.40 A1.42 A1.44 A1.48 A1.50 A1.52 A1.54 A1.56 A1.58 A1.60 A1.62 A1.63 A1.64 A1.66 A1.67 A1.73 A1.75 A1.77 A1.80 A1.82 A1.84 A1.88 A1.89 A1.90 A1.104 A1.106 A1.116 A1.118 A1.119 A1.120 A1.124 A1.126 A1.128 A1.133 A1.135 A1.138 A1.139 A1.140 A1.141 A1.144 A1.145 A1.146 A1.148 A1.150 A1.153 A1.154 A1.157 A1.158 A1.168 A1.170 A1.171 A1.172 A1.174 A1.176 A1.178 A1.180 A1.181 A1.183 A1.186 A1.187 A1.188 D1.5 D19.1 D23.5 J00.1 J0.1 J0.2 J00.2 J0.3 J00.3 J0.4 J00.4 J0.5 J00.5 J0.6 J00.6 J00.7 J0.7 J00.8 J0.8 J00.9 J0.9 J0.10 J00.10 J0.11 J00.11 J00.12 J0.12 J0.13 J00.13 J0.14 J00.14 J0.15 J00.15 J00.16 J0.16 J00.17 J0.17 J0.18 J00.18 J00.19 J0.19 J0.20 J00.20 J00.21 J0.21 J0.22 J00.22 J00.23 J0.23 J00.24 J0.24 J0.25 J00.25 J00.26 J0.26 J0.27 J00.27 J0.28 J00.28 J0.29 J00.29 J0.30 J00.30 J00.31 J0.31 J0.32 J00.32 J0.33 J00.33 J0.34 J00.34 J0.35 J00.35 J0.36 J00.36 J00.37 J0.37 J00.38 J0.38 J00.39 J0.39 J0.40 J00.40 J00.41 J0.41 J00.42 J0.42 J00.43 J0.43 J0.44 J00.44 J0.45 J00.45 J0.46 J00.46 J00.47 J0.47 J00.48 J0.48 J00.49 J0.49 J0.50 J00.50 J0.51 J00.51 J00.52 J0.52 J0.53 J00.53 J00.54 J0.54 J00.55 J0.55 J0.56 J00.56 J00.57 J0.57 J00.58 J0.58 J00.59 J0.59 J00.60 J0.60 J00.61 J0.61 J00.62 J0.62 J00.63 J0.63 J0.64 J00.64 J0.65 J00.65 J00.66 J0.66 J0.67 J00.67 J00.68 J0.68 J0.69 J00.69 J0.70 J00.70 J0.71 J00.71 J0.72 J00.72 J00.73 J0.73 J00.74 J0.74 J0.75 J00.75 J00.76 J0.76 J00.77 J0.77 J0.78 J00.78 J0.79 J00.79 J00.80 J0.80 J0.81 J00.81 J00.82 J0.82 J00.83 J0.83 J00.84 J0.84 J0.85 J00.85 J0.86 J00.86 J0.87 J00.87 J00.88 J0.88 J00.89 J0.89 J00.90 J0.90 J1.A2 J1.A4 J1.A5 J1.A6 J1.A7 J1.A8 J1.A10 J1.A11 J1.B2 J1.B4 J1.B5 J1.B6 J1.B7 J1.B8 J1.B10 J1.B11 J1.M J2.A2 J2.A3 J2.A5 J2.A6 J2.A7 J2.A8 J2.A9 J2.B2 J2.B3 J2.B5 J2.B6 J2.B7 J2.B8 J2.B9 J2.M J3.A2 J3.A3 J3.A5 J3.A6 J3.A7 J3.A8 J3.A9 J3.B2 J3.B3 J3.B5 J3.B6 J3.B7 J3.B8 J3.B9 J3.M J26.0 J40.0 MK1.4 MK2.4 SW3.1 SW3.None SW3.S U1.A2 U1.A3 U1.A4 U1.A8 U1.A9 U1.A10 U1.A11 U1.A12 U1.A14 U1.A15 U1.B1 U1.B4 U1.B5 U1.B7 U1.B9 U1.B10 U1.B11 U1.B12 U1.B13 U1.B14 U1.B16 U1.C1 U1.C2 U1.C4 U1.C5 U1.C7 U1.C8 U1.C9 U1.C10 U1.C11 U1.C12 U1.C15 U1.D1 U1.D2 U1.D3 U1.D6 U1.D7 U1.D8 U1.D9 U1.D10 U1.D11 U1.D14 U1.E1 U1.E3 U1.E6 U1.E7 U1.E8 U1.E9 U1.E10 U1.E11 U1.E14 U1.F2 U1.F3 U1.F4 U1.F5 U1.F7 U1.F8 U1.F9 U1.F10 U1.F12 U1.F13 U1.F14 U1.G1 U1.G2 U1.G3 U1.G4 U1.G5 U1.G6 U1.G11 U1.G12 U1.G13 U1.G14 U1.H1 U1.H2 U1.H3 U1.H4 U1.H5 U1.H6 U1.H11 U1.H12 U1.H13 U1.H14 U1.J1 U1.J2 U1.J3 U1.J4 U1.J5 U1.J6 U1.J11 U1.J12 U1.J13 U1.J14 U1.K1 U1.K2 U1.K3 U1.K4 U1.K5 U1.K6 U1.K11 U1.K12 U1.K13 U1.K14 U1.L3 U1.L4 U1.L5 U1.L7 U1.L8 U1.L9 U1.L10 U1.L12 U1.L13 U1.L14 U1.L15 U1.L16 U1.M3 U1.M6 U1.M7 U1.M8 U1.M9 U1.M10 U1.M11 U1.M14 U1.M15 U1.M16 U1.N1 U1.N2 U1.N3 U1.N6 U1.N7 U1.N8 U1.N9 U1.N10 U1.N11 U1.N14 U1.N15 U1.N16 U1.P1 U1.P2 U1.P4 U1.P5 U1.P6 U1.P7 U1.P8 U1.P9 U1.P10 U1.P11 U1.P12 U1.P15 U1.P16 U1.R1 U1.R7 U1.R16 U2.1 U2.3 U2.5 U2.6 U4.2 U4.3 U4.4 U4.9 U4.10 U4.11 U6.4 U8.4 U14.2 U14.6 U14.8 U14.11

## Polygon pours and split planes (outlines as drawn)
+3V3_A on Signal Layer 2 "Signal Layer 2-+3V3_A" (solid, pour order 78): -11.925,-4.4 -9.26,-7.065 -9.26,-13.06 -10.31,-14.11 -20.103,-14.11 -21.25,-12.963 -21.25,-8.25 -17.4,-4.4
+3V7 on Signal Layer 2 "+3V7_L03_P059" (solid, pour order 59): -31.5,1.589 -19.605,1.589 -17.45,3.743 -17.45,4.91 -24.598,12.058 -24.598,15.057 -22.492,15.057 -22.33,15.124 -17.607,19.847 -17.54,20.009 -17.54,24.5 28.5,24.5 28.5,16.8 -6,16.8 -13.265,9.535 -13.265,-4.193 -17.512,-4.193 -21.5,-8.181 -21.5,-12.9 -20.073,-14.327 -9.127,-14.327 -8.7,-13.9 17.8,-13.9 17.8,-8.3 28.5,-8.3 28.5,-26.6 -31.5,-26.6
+3V7_BATT on Signal Layer 2 "+3V7_BATT_L03_P068" (solid, pour order 68): -35.6,1.9 -19.775,1.9 -17.809,3.866 -17.809,4.841 -24.9,11.932 -24.9,15.4 -22.56,15.4 -17.997,19.963 -17.997,24.5 -31.5,24.5 -31.5,12.4 -35.6,12.4
+3V3_D on Signal Layer 2 "+3V3_D_L03_P072" (solid, pour order 72): -12.789,9.311 -5.6,16.5 28.5,16.5 28.5,-8.1 17.6,-8.1 17.6,-13.7 -8.956,-13.7 -8.956,-7.066 -11.821,-4.2 -13.009,-4.2 -13.017,5.143 -12.789,5.371
+3V3_F on Solder Side "+3V3_F_L04_P070" (solid, pour order 70): -1.5,-4.9 3.9,-4.9 5,-6 5,-11.4 3.9,-12.5 -1.5,-12.5 -2.6,-11.4 -2.6,-6 -1.5,-4.9 -1.5,-3.1 -2,-3.1 -3,-2.1 -8,-2.1 -8,-15.6 4.5,-15.6 6,-17.1 13.5,-17.1 13.5,-10.3 11.331,-10.3 8.366,-7.223 8.366,-3.1 -1.5,-3.1
GND on Solder Side "GND_L04_P074" (solid, pour order 74): -15.8,17.6 -13.9,15.7 -13.9,10.7 -21,10.7 -21,13.3 -18.5,13.3 -18.5,17.6
AGND on Signal Layer 1 "Signal Layer 1-AGND" (solid, pour order 58): -24.9,-11.9 -17.407,-4.407 -11.893,-4.407 -9,-7.3 -9,-13.505 -7.4,-15 -7.4,-15.8 -8.6,-17 -10.398,-17 -11.197,-16.201 -14.904,-16.197 -15.581,-16.919 -16.203,-16.297 -24.9,-16.312
GND on Signal Layer 1 "Ground Plane" (solid, pour order 76): -31.5,-26.6 28.5,-26.6 28.5,24.5 -31.5,24.5 -31.5,12.9 -35.7,12.9 -35.7,1.4 -31.5,1.4

## Other copper
Component Side:
  region net NetC31_2: -14,-3.4 -14,-6.8 -14.3,-6.8 -14.3,-7.8 -14.6,-7.8 -15,-7.4 -15,-5.8 -15.4,-5.4 -15.4,-3.4
  region net AGND: -13.8,-3.4 -13.8,-6.8 -13.3,-6.8 -13.3,-6.5 -12.3,-5.5 -12.3,-3.4
  region net +3V3_A: -17.1,-8.7 -17.1,-9.9 -15.8,-9.9 -15.8,-9.1 -16.3,-9.1 -16.7,-8.7
  region net AGND: -18.4,-8.44 -18.4,-9.9 -17.5,-9.9 -17.5,-8.5 -17.8,-8.2 -18.2,-8.2
  region net NetC34_1: -18.3,-7.2 -19,-7.9 -19,-8.3 -18.3,-7.6 -17.7,-7.6 -17.7,-7.7 -17.1,-8.3 -16.7,-8.3 -16.1,-8.9 -15.7,-8.9 -15.7,-8.6 -16.5,-7.8 -17.1,-7.8 -17.7,-7.2
  region net NetC33_1: -20.2,-6.85 -16.959,-6.85 -15.559,-8.25 -14.95,-8.25 -17.3,-5.9 -20.2,-5.9
  region net +3V3_A: -15.6,-11.6 -16.3,-12.3 -16.3,-12.8 -19.2,-12.8 -19.2,-14 -16,-14 -16,-13.5 -14.9,-13.5 -14.9,-11.6
  region net AGND: -15.8,-11.4 -16.9,-12.5 -19.2,-12.5 -19.2,-11.4 -18.7,-11.4 -18.4,-11.1 -15.8,-11.1
  region net +3V3_D: -10.7,-8.1 -10,-7.4 -7.9,-7.4 -7.6,-7.7 -7.6,-8.2 -8.9,-8.2 -9.1,-8.4 -10.7,-8.4
Solder Side:
  rectangle net BATT_ID: -35.2,2.4 -31.1,4.4
  rectangle net GND: -35.2,4.9 -31.1,6.9
  rectangle net BATT_NTC: -35.2,7.4 -31.1,9.4
  rectangle net +3V7_BATT: -35.2,9.9 -31,11.9
  rectangle net AGND: -14.3,-11.2 -11.1,-8.4

## Silkscreen, mask and mechanical layers (free items; w line width, h text height)
Top Overlay:
  circle w0.203: c-10.201,16.35 r0.183
  lines w0.203: -9.8,13 -6.8,13 ; -9.8,16.4 -8.6,16.4 ccw(c-8.3,16.4) -8,16.4 -6.8,16.4
  text "ADB" at -31,22.4 h1.52
  text "TTY" at -5.6,20.3 h1.52 r90
  text "CHG" at -16.9,15.5 h1.02 r90
  text "ON" at -26.9,14.6 h1.52
  text "−" at -25.3,11.3 h1.02 r90
  text "NTC" at -23.8,11.29 h1.02 r90
  text "I.D" at -22.2,11.3 h1.02 r90
  text "+" at -20.8,11.3 h1.02 r90
  text "BOOTUSB" at -4.492,11.3 h1.02 r90
  text "+" at -29.3,10.4 h1.02
  text "NTC" at -29.6,7.9 h1.02
  text "−" at -29.3,5.4 h1.02
  text "BOOT1" at 8.1,3.2 h1.02
  text "I.D" at -29.2,2.9 h1.02
  text "VOL−" at -27.8,1 h1.52 r270
  text "SW_PWR" at 1.6,0.5 h1.02
  text "L1" at 12.7,-4.5 h1.02
  text "L2" at 14.5,-4.5 h1.02
  text "M1" at 8.9,-6.6 h1.02 r270
  text "M2" at 10.8,-6.6 h1.02 r270
  text "0" at 18.9,-8.725 h1.02
  text "VOL+" at -27.8,-9 h1.52 r270
  text "TCK" at 18.9,-10.125 h1.02
  text "TMS" at 18.9,-11.525 h1.02
  text "TDI" at 18.9,-12.925 h1.02
  text "TDO" at 18.9,-14.325 h1.02
  text "3V3" at 18.9,-15.725 h1.02
Bottom Overlay:
  circle w0.254: c17.6,12.6 r0.889
  region: 27.4,11.1 -1.6,11.1 -1.6,5.1 27.4,5.1
  lines w0.254: 17.314,12.243 ccw(c17.6,12.6) 17.314,12.957
  text "OSP_Carrier V8.0" at 27.2,17.1 h1.27
  text "openspeechplatform.ucsd.edu" at 27.2,14.7 h1.27
  text "Copyright   2019 UCSD / THE_Lab" at 27.2,12 h1.27
  text "LOW" at 24.7,-1.9 h1.02
  text "GOOD" at 24.8,-3.375 h1.02
  text "USR3" at 24.8,-4.9 h1.02
  text "MUTE" at 24.8,-6.4 h1.02
  text "WIFI" at 24.8,-7.863 h1.02
  text "BT" at 24.8,-9.4 h1.02
  text "MIC R" at -29.8,-18.9 h1.02 r90
  text "MIC L" at 27.8,-18.9 h1.02 r90
Top Solder:
  rectangle: 2.35,15 3.225,18
  rectangle: -0.15,15.775 0.725,17.225
  region: 3,12 3,13.4 2,13.4 2,12
  region: 1,12 1,13.4 0,13.4 0,12
  region: 2.5,13.4 2.5,14.4 0.5,14.4 0.5,13.4
  region: 2.5,11 2.5,12 0.5,12 0.5,11
  rectangle: -24.2,19.9 -21.6,21.3
  rectangle: -13.2,19.9 -10.6,21.3
  region: 22.4,8.725 22.2,8.725 22.2,7.275 22.4,7.275
Mechanical 3:
  the board outline again, w0.1

## Text inside footprints (layer, text, board x,y; h text height)
A1: Bottom Overlay "J1" at 2.1,22.12 h0.51 r180; Bottom Overlay "1" at 11.6,21.02 h0.51 r180; Bottom Overlay "2" at 11.6,23.12 h0.51 r180; Bottom Overlay "89" at -7.5,21.02 h0.51 r180; Bottom Overlay "90" at -7.5,23.12 h0.51 r180; Bottom Overlay "90" at -7.5,3.52 h0.51 r180; Bottom Overlay "89" at -7.5,1.42 h0.51 r180; Bottom Overlay "2" at 11.6,3.52 h0.51 r180; Bottom Overlay "1" at 11.6,1.42 h0.51 r180; Bottom Overlay "J2" at 2,2.52 h0.51 r180
J0: Bottom Overlay "1" at 11.6,21.02 h0.51 r180; Bottom Overlay "2" at 11.6,23.12 h0.51 r180; Bottom Overlay "89" at -7.5,21.02 h0.51 r180; Bottom Overlay "90" at -7.5,23.12 h0.51 r180
J00: Bottom Overlay "1" at 11.6,1.42 h0.51 r180; Bottom Overlay "2" at 11.6,3.52 h0.51 r180; Bottom Overlay "89" at -7.5,1.42 h0.51 r180; Bottom Overlay "90" at -7.5,3.52 h0.51 r180